# Allegro board ultrasound_tnr_1000a_01_20171121.brd (continued)
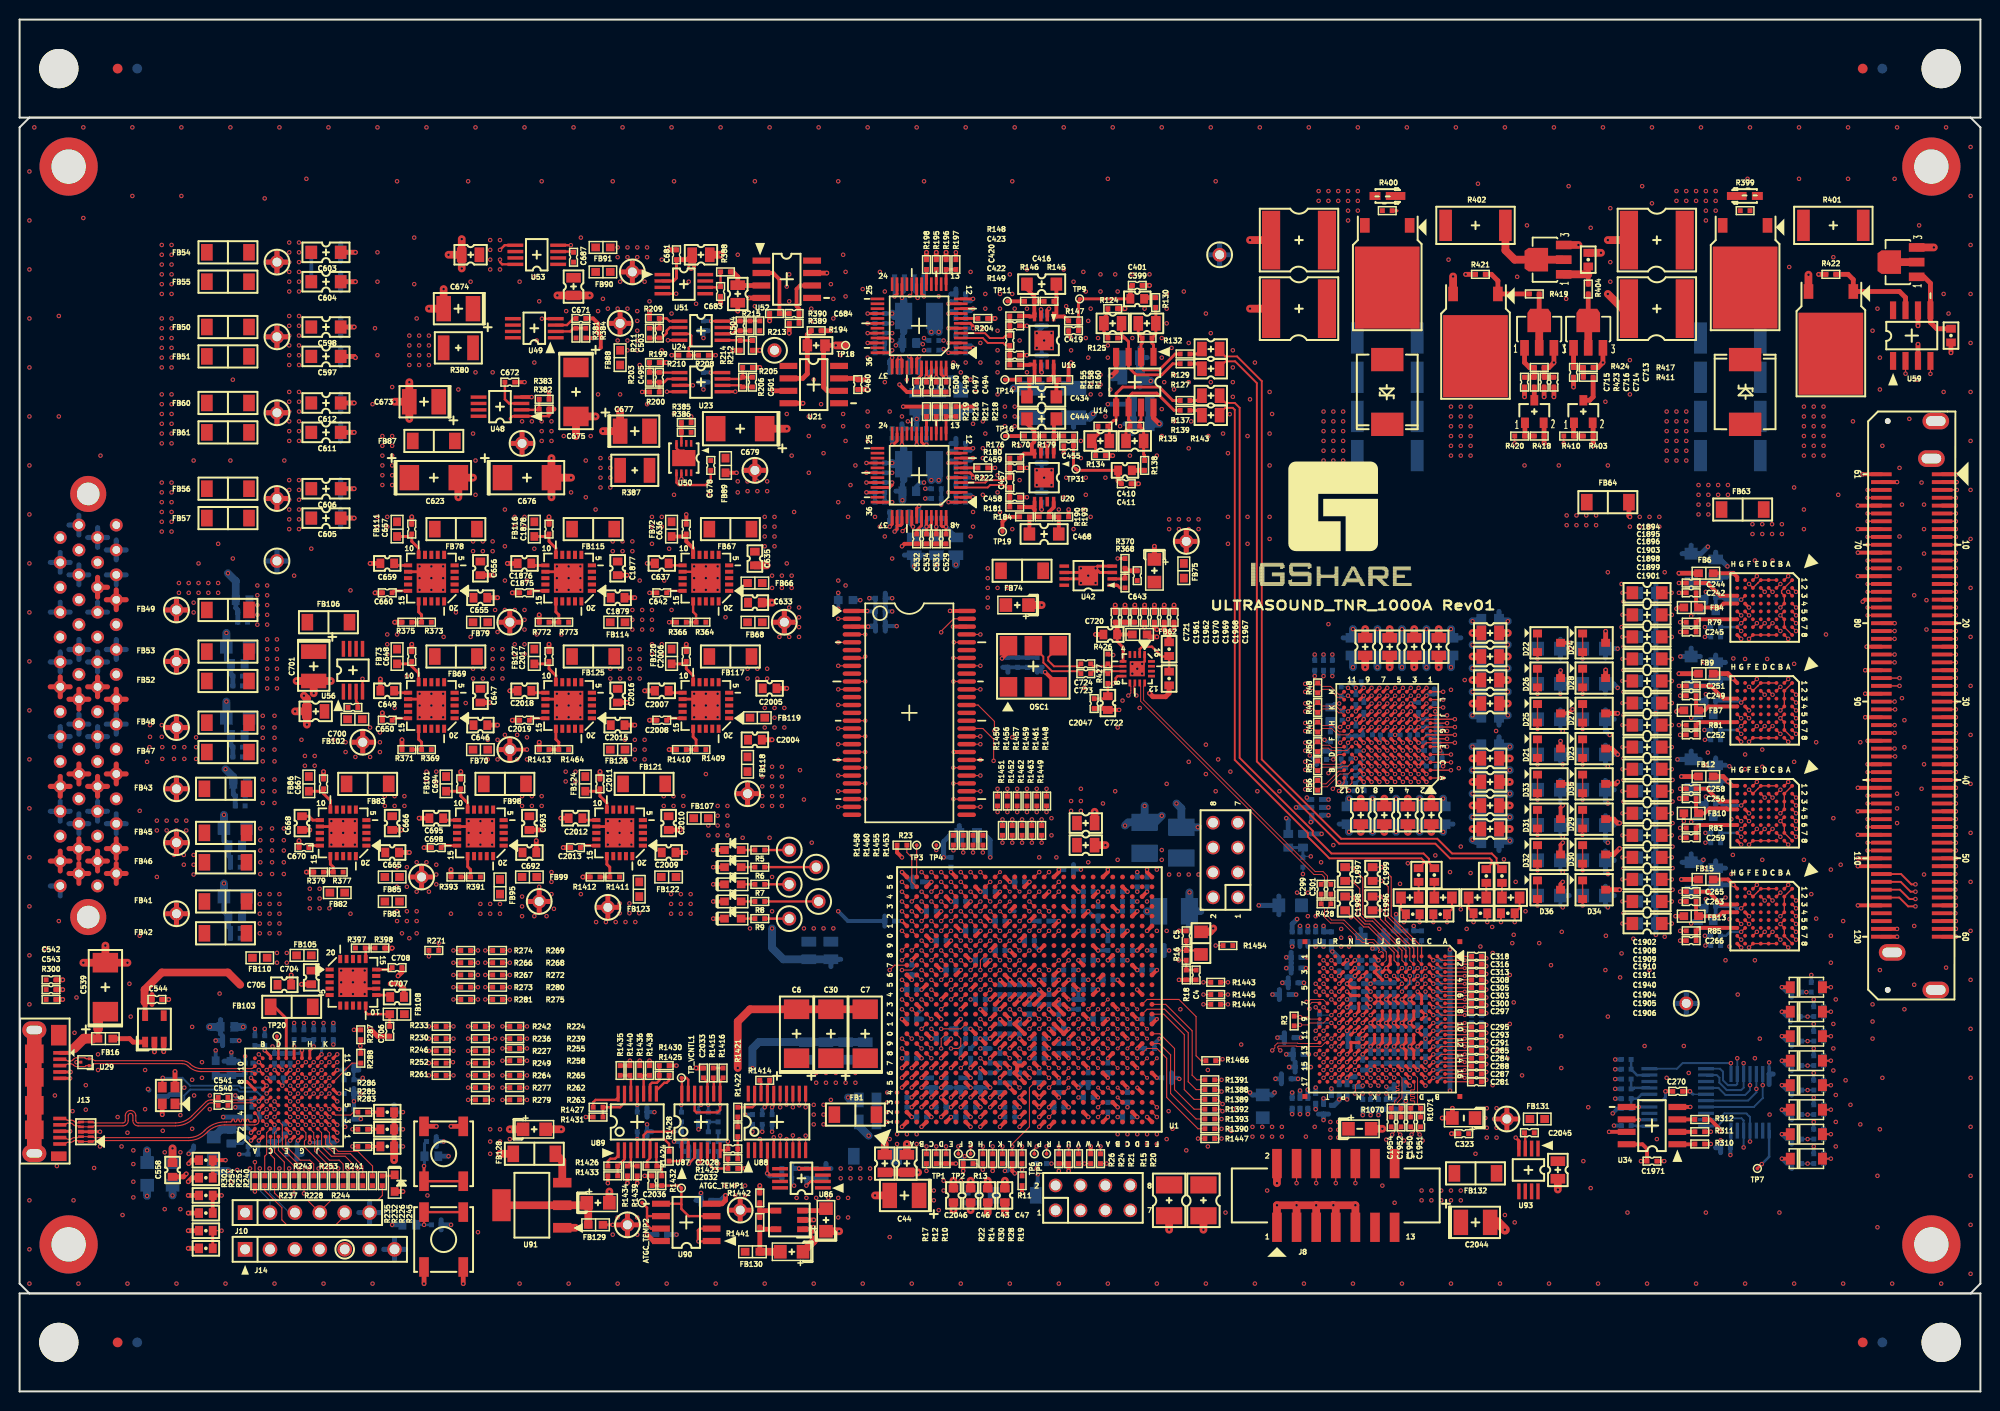
[diagram p0: board, top side]
## Routing (per net, layer and track width the routed paths; a pad name or vN(x,y) marks a point on that pad's centre or on a via; arc(x,y) is an arc through that point) (continued)
PRB_EL_D20: length 24.8
  TOP w0.14: U5.E2 v1(178,71.1)
  TOP w0.15: J17.33 v1(197.5,68)
  SIG1 w0.14: v1(178,71.1) 178,71.6 179.6,73.2 184.8,73.2 189,69 195,69 196,68 v1(197.5,68)
PRB_EL_D21: length 20.5
  TOP w0.14: U5.A2 v1(181.2,71.1)
  TOP w0.15: J17.34 v1(197.5,67.2)
  SIG1 w0.14: v1(181.2,71.1) 184.65,71.1 187.75,68 189.25,68 190.75,66.5 193.05,66.5 193.75,67.2 v1(197.5,67.2)
PRB_EL_D22: length 20.9
  TOP w0.14: U5.A6 v1(181.2,67.9)
  TOP w0.15: J17.36 v1(197.5,65.6)
  SIG1 w0.14: v1(197.5,65.6) 193.1,65.6 191.75,64.25 190.75,64.25 189.5,65.5 189.5,66.4 188.8,67.1 187.1,67.1 186.3,67.9 v1(181.2,67.9)
PRB_EL_D23: length 23.9
  TOP w0.14: U5.D7 v1(178.8,67.9)
  TOP w0.15: J17.37 v1(197.5,64.8)
  SIG1 w0.14: v1(197.5,64.8) 193.55,64.8 192,63.25 190.35,63.25 187.8,65.8 179.8,65.8 178.8,66.8 v1(178.8,67.9)
PRB_EL_D24: length 23.6
  TOP w0.14: U6.E2 v1(178,60.6)
  TOP w0.15: J17.39 v1(197.5,63.2)
  SIG1 w0.14: v1(178,60.6) 178,61.1 179.6,62.7 187.4,62.7 188.35,61.75 191.75,61.75 193.2,63.2 v1(197.5,63.2)
PRB_EL_D25: length 20.1
  TOP w0.14: U6.A2 v1(181.2,60.6)
  TOP w0.15: J17.40 v1(197.5,62.4)
  SIG1 w0.14: v1(181.2,60.6) 186.9,60.6 188.25,59.25 190.5,59.25 193.65,62.4 v1(197.5,62.4)
PRB_EL_D26: length 20
  TOP w0.14: U6.A6 v1(181.2,57.4)
  TOP w0.15: J17.42 v1(197.5,60.8)
  SIG1 w0.14: v1(197.5,60.8) 193.55,60.8 189.75,57 188.25,57 187.85,57.4 v1(181.2,57.4)
PRB_EL_D27: length 24.7
  TOP w0.14: U6.D7 v1(178.8,57.4)
  TOP w0.15: J17.43 v1(197.5,60)
  SIG1 w0.14: v1(197.5,60) 194.25,60 188.75,54.5 188.25,54.5 187.55,55.2 180,55.2 178.8,56.4 v1(178.8,57.4)
PRB_EL_D28: length 24.9
  TOP w0.14: U7.E2 v1(178,50.1)
  TOP w0.15: J17.45 v1(197.5,58.4)
  SIG1 w0.14: v1(178,50.1) 180.2,52.3 188.05,52.3 194.15,58.4 v1(197.5,58.4)
PRB_EL_D29: length 21.4
  TOP w0.14: U7.A2 v1(181.2,50.1)
  TOP w0.15: J17.46 v1(197.5,57.6)
  SIG1 w0.14: v1(197.5,57.6) 194.85,57.6 187.35,50.1 v1(181.2,50.1)
PRB_EL_D30: length 22
  TOP w0.14: U7.A6 v1(181.2,46.9)
  TOP w0.15: J17.48 v1(197.5,56)
  SIG1 w0.14: v1(197.5,56) 195,56 186.3,47.3 181.6,47.3 v1(181.2,46.9)
PRB_EL_D31: length 26.4
  TOP w0.14: U7.D7 v1(178.8,46.9)
  TOP w0.15: J17.49 v1(197.5,55.2)
  SIG1 w0.14: v1(178.8,46.9) 178.8,46 180,44.8 185.3,44.8 195.7,55.2 v1(197.5,55.2)
PRB_EL_D32: length 17.3
  TOP w0.14: U4.D2 v1(178.8,81.6)
  TOP w0.15: J17.63 v1(188.5,92)
  SIG3 w0.14: 187,92 178.8,83.8 178.8,83.5 v1(178.8,81.6)
  SIG3 w0.25: 187,92 v1(188.5,92)
PRB_EL_D33: length 15.5
  TOP w0.14: U4.A3 v1(180.4,81.6)
  TOP w0.15: J17.64 v1(188.5,91.2)
  SIG3 w0.14: v1(188.5,91.2) 187.45,91.2 181,84.75 181,82.2 v1(180.4,81.6)
PRB_EL_D34: length 17.8
  TOP w0.14: U4.A7 v1(181.2,77.6)
  TOP w0.15: J17.66 v1(188.5,89.6)
  SIG3 w0.14: v1(188.5,89.6) 187.1,89.6 181.8,84.3 181.8,78.2 v1(181.2,77.6)
PRB_EL_D35: length 22.4
  TOP w0.14: U4.E7 v1(178,78.4)
  TOP w0.15: J17.67 v1(188.5,88.8)
  SIG3 w0.14: v1(178,78.4) 178,77.6 179.4,76.2 180.6,76.2 182.6,78.2 182.6,83.85 187.55,88.8 v1(188.5,88.8)
PRB_EL_D36: length 22.8
  TOP w0.14: U5.D2 v1(178.8,71.1)
  TOP w0.15: J17.69 v1(188.5,87.2)
  SIG3 w0.14: v1(188.5,87.2) 187.2,87.2 183.4,83.4 183.4,77.9 178.8,73.3 v1(178.8,71.1)
PRB_EL_D37: length 21.7
  TOP w0.14: U5.A3 v1(181.2,70.3)
  TOP w0.15: J17.70 v1(188.5,86.4)
  SIG3 w0.14: v1(188.5,86.4) 187.4,86.4 184.2,83.2 184.2,77.95 181.8,75.55 181.8,70.9 v1(181.2,70.3)
PRB_EL_D38: length 24
  TOP w0.14: U5.A7 v1(181.2,67.1)
  TOP w0.15: J17.72 v1(188.5,84.8)
  SIG3 w0.14: v1(181.2,67.1) 181.7,67.1 182.5,67.9 182.5,74.7 185,77.2 185,83 186.8,84.8 v1(188.5,84.8)
PRB_EL_D39: length 28.5
  TOP w0.14: U5.E7 v1(178,67.9)
  TOP w0.15: J17.73 v1(188.5,84)
  SIG3 w0.14: v1(188.5,84) 187.25,84 185.8,82.55 185.8,77 183.25,74.45 183.25,67.05 182,65.8 180.1,65.8 v1(178,67.9)
PRB_EL_D40: length 29.2
  TOP w0.14: U6.D2 v1(178.8,60.6)
  TOP w0.15: J17.75 v1(188.5,82.4)
  SIG3 w0.14: v1(188.5,82.4) 187.4,82.4 186.6,81.6 186.6,76.8 184,74.2 184,64.4 180.2,60.6 v1(178.8,60.6)
PRB_EL_D41: length 28
  TOP w0.14: U6.A3 v1(181.2,59.8)
  TOP w0.15: J17.76 v1(188.5,81.6)
  SIG3 w0.14: v1(188.5,81.6) 187.6,81.6 187.4,81.4 187.4,76.6 184.75,73.95 184.75,62.25 182.3,59.8 v1(181.2,59.8)
PRB_EL_D42: length 29
  TOP w0.14: U6.A7 v1(181.2,56.6)
  TOP w0.15: J17.78 v1(188.5,80)
  SIG3 w0.14: v1(181.2,56.6) 182.2,56.6 185.5,59.9 185.5,73.7 188,76.2 188,79.5 v1(188.5,80)
PRB_EL_D43: length 34.2
  TOP w0.14: U6.E7 v1(178,57.4)
  TOP w0.15: J17.79 v1(188.5,79.2)
  SIG3 w0.14: v1(178,57.4) 180.1,55.3 182.8,55.3 186.25,58.75 186.25,73.25 188.9,75.9 188.9,78.8 v1(188.5,79.2)
PRB_EL_D44: length 35.5
  TOP w0.14: U7.D2 v1(178.8,50.1)
  TOP w0.15: J17.81 v1(191.25,77.6)
  SIG3 w0.14: v1(178.8,50.1) 179.7,50.1 187,57.4 187,73 190,76 190,77 190.6,77.6 v1(191.25,77.6)
PRB_EL_D45: length 35.2
  TOP w0.14: U7.A3 v1(181.2,49.3)
  TOP w0.15: J17.82 v1(191.25,76.8)
  SIG3 w0.14: v1(191.25,76.8) 190.75,76.3 190.75,75.75 189.25,74.25 189.25,54.5 184.05,49.3 v1(181.2,49.3)
PRB_EL_D46: length 35.7
  TOP w0.14: U7.A7 v1(181.2,46.1)
  TOP w0.15: J17.84 v1(191.25,75.2)
  SIG3 w0.14: v1(181.2,46.1) 182.1,46.1 190,54 190,73.95 v1(191.25,75.2)
PRB_EL_D47: length 40.7
  TOP w0.14: U7.E7 v1(178,46.9)
  TOP w0.15: J17.85 v1(191.25,74.4)
  SIG3 w0.14: v1(191.25,74.4) 191.25,73.98 190.75,73.48 190.75,53.5 181.95,44.7 179.5,44.7 178,46.2 v1(178,46.9)
PRB_EL_D48: length 19.8
  TOP w0.14: U4.C2 v1(179.6,82.4)
  TOP w0.15: J17.87 v1(191.75,72.8)
  SIG2 w0.14: v1(179.6,82.4) 184.22,82.4 190.5,76.12 190.5,74.05 v1(191.75,72.8)
PRB_EL_D49: length 17.3
  TOP w0.14: U4.A4 v1(181.2,80)
  TOP w0.15: J17.88 v1(191.75,72)
  SIG2 w0.14: v1(181.2,80) 181.6,79.6 185.4,79.6 189.75,75.25 189.75,73.58 191.33,72 v1(191.75,72)
PRB_EL_D50: length 15.4
  TOP w0.14: U4.B8 v1(180.4,76.8)
  TOP w0.15: J17.90 v1(191.25,70.4)
  SIG2 w0.14: v1(191.25,70.4) 190.6,70.4 184.7,76.3 180.9,76.3 v1(180.4,76.8)
PRB_EL_D51: length 20.3
  TOP w0.14: U4.F7 v1(177.2,78.4)
  TOP w0.15: J17.91 v1(191.3,69.6)
  SIG2 w0.14: v1(177.2,78.4) 177.6,78 177.6,77 179.35,75.25 183.5,75.25 189.15,69.6 v1(191.3,69.6)
PRB_EL_D52: length 15.2
  TOP w0.14: U5.C2 v1(179.6,71.9)
  TOP w0.15: J17.93 v1(191.25,68)
  SIG2 w0.14: v1(191.25,68) 188.25,68 184.35,71.9 v1(179.6,71.9)
PRB_EL_D53: length 12.9
  TOP w0.14: U5.A4 v1(181.2,69.5)
  TOP w0.15: J17.94 v1(191.25,67.2)
  SIG2 w0.14: v1(181.2,69.5) 181.6,69.1 185.65,69.1 187.55,67.2 v1(191.25,67.2)
PRB_EL_D54: length 13.1
  TOP w0.14: U5.B8 v1(180.4,66.3)
  TOP w0.15: J17.96 v1(191.25,65.6)
  SIG2 w0.14: v1(180.4,66.3) 181.1,65.6 v1(191.25,65.6)
PRB_EL_D55: length 17.3
  TOP w0.14: U5.F7 v1(177.2,67.9)
  TOP w0.15: J17.97 v1(191.3,64.8)
  SIG2 w0.14: v1(191.3,64.8) 180.3,64.8 v1(177.2,67.9)
PRB_EL_D56: length 11.6
  TOP w0.14: U6.C2 v1(179.6,61.4)
  TOP w0.15: J17.99 v1(188.5,63.2)
  SIG2 w0.14: v1(188.5,63.2) 184.1,63.2 182.3,61.4 v1(179.6,61.4)
PRB_EL_D57: length 10.7
  TOP w0.14: U6.A4 v1(181.2,59)
  TOP w0.15: J17.100 v1(188.5,62.4)
  SIG2 w0.14: v1(188.5,62.4) 184.6,62.4 v1(181.2,59)
PRB_EL_D58: length 13.4
  TOP w0.14: U6.B8 v1(180.4,55.8)
  TOP w0.15: J17.102 v1(188.5,60.8)
  SIG2 w0.14: v1(188.5,60.8) 184.3,60.8 182.25,58.75 182.25,56.65 181.6,56 180.6,56 v1(180.4,55.8)
PRB_EL_D59: length 17.6
  TOP w0.14: U6.F7 v1(177.2,57.4)
  TOP w0.15: J17.103 v1(188.5,60)
  SIG2 w0.14: v1(177.2,57.4) 178.4,56.2 179.4,55.2 182.4,55.2 183.2,56 183.2,58.5 184.7,60 v1(188.5,60)
PRB_EL_D60: length 15.1
  TOP w0.14: U7.C2 v1(179.6,50.9)
  TOP w0.15: J17.105 v1(188.5,58.4)
  SIG2 w0.14: v1(188.5,58.4) 185.9,58.4 184.25,56.75 184.25,54.75 180.4,50.9 v1(179.6,50.9)
PRB_EL_D61: length 15.8
  TOP w0.14: U7.A4 v1(181.2,48.5)
  TOP w0.15: J17.106 v1(188.5,57.6)
  SIG2 w0.14: v1(181.2,48.5) 182,48.5 185.25,51.75 185.25,56.5 186.35,57.6 v1(188.5,57.6)
PRB_EL_D62: length 17.7
  TOP w0.14: U7.B8 v1(180.4,45.3)
  TOP w0.15: J17.108 v1(188.5,56)
  SIG2 w0.14: v1(188.5,56) 187.25,56 186.25,55 186.25,49.5 182.35,45.6 180.7,45.6 v1(180.4,45.3)
PRB_EL_D63: length 22.3
  TOP w0.14: U7.F7 v1(177.2,46.9)
  TOP w0.15: J17.109 v1(188.5,55.2)
  SIG2 w0.14: v1(177.2,46.9) 179.4,44.7 183.7,44.7 187,48 187,54.5 187.7,55.2 v1(188.5,55.2)
PRB_ID0: length 22.3
  SIG1 w0.14: v1(174.55,33.5) 174.55,35.05 180.25,40.75 v1(182.25,40.75)
  BOTTOM w0.2: U8.10 169.05,32.92 169.62,33.5 v1(174.55,33.5) U9.1 ; R100.2 v1(182.25,40.75) C272.1
PRB_ID1: length 17.7
  SIG1 w0.14: v1(182.38,38.25) 182.25,38.25 182,38 178.62,38 175.2,34.58 v1(175.2,34)
  BOTTOM w0.2: v1(175.2,34) U9.2 175.2,31.36 175.09,31.25 174.25,31.25 173.75,31.75 173.75,32.63 173.45,32.92 U8.11 ; C273.1 v1(182.38,38.25) R101.2
PRB_ID2: length 16.4
  SIG1 w0.14: v1(182.38,35.75) 181.88,35.25 177,35.25 175.85,34.1 v1(175.85,33.5)
  BOTTOM w0.2: v1(175.85,33.5) U9.3 175.85,31 175.6,30.75 174.12,30.75 173.38,31.5 173.38,32.02 173.12,32.27 U8.12 ; R102.2 v1(182.38,35.75) C274.1
PRB_ID3: length 15
  SIG1 w0.14: v1(176.5,31.25) 176.5,31.88 177.38,32.75 180.38,32.75 180.88,33.25 v1(182.38,33.25)
  BOTTOM w0.2: C275.1 v1(182.38,33.25) R103.2 ; U8.14 173.27,30.98 174,30.25 176,30.25 176.5,30.75 v1(176.5,31.25) U9.4
PRB_ID4: length 15.3
  SIG1 w0.14: v1(182.38,30.75) 181.12,32 177.5,32 177.12,31.62 177.12,30.9 v1(177.15,30.88)
  BOTTOM w0.2: C277.1 v1(182.38,30.75) R115.2 ; U9.5 v1(177.15,30.88) 177.15,30.52 176.3,29.68 U8.16
PRB_ID5: length 16.6
  SIG1 w0.14: v1(182.38,28.25) 182.38,29.25 181.62,30 178.5,30 177.75,30.75 177.75,31.2 v1(177.8,31.25)
  BOTTOM w0.2: C278.1 v1(182.38,28.25) R116.2 ; U8.17 176.9,29.02 177.8,29.93 v1(177.8,31.25) U9.6
PRB_ID6: length 14.6
  SIG1 w0.14: v1(182.38,25.75) 181.89,25.75 181.64,25.5 v1(176.5,25.5)
  BOTTOM w0.2: v1(176.5,25.5) U9.11 176.5,28 176.12,28.38 173.88,28.38 173.23,27.73 U8.19 ; C279.1 v1(182.38,25.75) R117.2
PRB_ID7: length 16.1
  SIG1 w0.14: v1(175.85,24.9) 176.25,24.5 182.12,24.5 182.38,24.25 v1(182.38,23.25)
  BOTTOM w0.2: C280.1 v1(182.38,23.25) R118.2 ; U8.20 173.2,27.07 174,27.88 175.62,27.88 175.85,27.65 U9.12 v1(175.85,24.9)
PRB_ON_GATE: length 4.4
  TOP w0.25: TP7.1 v1(177.7,23.2)
  BOTTOM w0.25: U9.8 178.45,23.95 v1(177.7,23.2)
PRBA_PID_0: length 24.7
  TOP w0.2: 183.75,41.25 D6.2 v1(184.75,41.25) ; J17.52 v1(197.45,52.8)
  SIG1 w0.14: v1(197.45,52.8) 196.55,52.8 194.38,50.62 194.38,45.75 189.88,41.25 v1(184.75,41.25)
  BOTTOM w0.2: 183.75,41.25 R95.1 ; 183.75,41.25 v1(184.75,41.25) ; 183.75,41.25 R100.1
PRBA_PID_1: length 26
  TOP w0.2: J17.53 v1(197.5,52) ; D7.2 v1(184.75,38.75)
  SIG1 w0.14: v1(197.5,52) 196.5,52 194.88,50.38 194.88,45.5 191.56,42.19 191.56,40.69 189.62,38.75 v1(184.75,38.75)
  BOTTOM w0.2: 184,38.75 R101.1 ; 184,38.75 v1(184.75,38.75) ; 184,38.75 R96.1
PRBA_PID_2: length 26.7
  TOP w0.2: D8.2 v1(184.75,36.25) ; J17.54 v1(197.45,51.2)
  SIG1 w0.14: v1(197.45,51.2) 196.57,51.2 195.38,50 195.38,45.25 192.12,42 192.12,40.12 188.25,36.25 v1(184.75,36.25)
  BOTTOM w0.2: 184,36.25 R97.1 ; 184,36.25 v1(184.75,36.25) ; 184,36.25 R102.1
PRBA_PID_3: length 28.3
  TOP w0.2: D9.2 v1(184.75,33.75) ; J17.55 v1(197.47,50.4)
  SIG1 w0.14: v1(184.75,33.75) 187.88,33.75 192.69,38.56 192.69,41.81 195.88,45 195.88,49.75 196.53,50.4 v1(197.47,50.4)
  BOTTOM w0.2: 184,33.75 R103.1 ; 184,33.75 R98.1 184.01,34.25 ; 184,33.75 v1(184.75,33.75)
PRBA_PID_4: length 32.1
  TOP w0.2: J17.112 191.9,52.8 192.95,51.75 v1(193.38,51.75) ; D10.2 v1(184.75,31.25)
  SIG3 w0.14: v1(184.75,31.25) 186,32.5 186,46.87 190.88,51.75 v1(193.38,51.75)
  BOTTOM w0.2: 184,31.25 R111.1 ; 184,31.25 v1(184.75,31.25) ; 184,31.25 R115.1
PRBA_PID_5: length 33.9
  TOP w0.2: J17.113 191.88,52 192.88,51 v1(193.38,51) ; D11.2 v1(184.75,28.75)
  SIG3 w0.14: v1(184.75,28.75) 185.5,28.75 186.75,30 186.75,46.38 191.38,51 v1(193.38,51)
  BOTTOM w0.2: 184,28.75 v1(184.75,28.75) ; 184,28.75 R116.1 ; 184,28.75 R112.1
PRBA_PID_6: length 35.2
  TOP w0.2: J17.114 191.8,51.2 192.75,50.25 v1(193.38,50.25) ; D12.2 v1(184.75,26.25)
  SIG3 w0.14: v1(193.38,50.25) 192,50.25 187.5,45.75 187.5,28.5 185.25,26.25 v1(184.75,26.25)
  BOTTOM w0.2: 184,26.25 R117.1 ; 184,26.25 v1(184.75,26.25) ; 184,26.25 R113.1
PRBA_PID_7: length 36.6
  TOP w0.2: v1(193.38,49.5) 192.62,49.5 191.72,50.4 J17.115 ; D13.2 v1(184.75,23.75)
  SIG3 w0.14: v1(184.75,23.75) 185.25,23.75 188.25,26.75 188.25,45.25 192.5,49.5 v1(193.38,49.5)
  BOTTOM w0.2: v1(184.75,23.75) 184,23.75 ; 184,23.75 R118.1 ; 184,23.75 R114.1
REF_2V5: length 51.9
  TOP w0.4: U16.2 104.83,110.33 v1(105,110.5) ; U20.2 v1(104.83,96.75)
  TOP w0.5: v1(83.25,106.75) R192.1 82,106.6 82,102.5 82.39,102.11 U21.6
  TOP w0.8: TP18.1 v1(83.25,106.75)
  SIG1 w0.8: v1(104.83,96.75) 104.83,102.08 106.25,103.5 106.25,109.25 v1(105,110.5) 105,111.4 103.4,113 87.83,113 83.92,109.08 83.92,107.32 83.35,106.75 v1(83.25,106.75)
REF_2V5P: length 11.7
  TOP w0.3: U23.5 v1(73,102.03) ; U23.3 v1(68.67,102.67)
  TOP w0.4: R208.1 v1(71,105.75)
  TOP w0.5: U21.3 v1(76.86,102.11) ; R212.1 v1(75.5,106.25) ; R390.1 v1(76.5,109.25) ; R389.1 v1(78.5,108)
  SIG1 w0.53: 77,105.19 TH33.1 ; TH33.1 77,107.31 ; TH33.1 75.94,106.25 ; TH33.1 78.06,106.25
RESET: length 17.6
  TOP w0.115: U11.L17 v1(137.8,31.2) ; v1(122.69,28.6) 122.49,28.8 R1392.2
  SIG3 w0.13: v1(122.69,28.6) 123.99,29.9 132.2,29.9 132.7,30.4 134.2,30.4 134.6,30.8 137.4,30.8 v1(137.8,31.2)
SD_A0: length 29.1
  TOP w0.115: U1.H22 v1(97,49) ; U31.23 v1(86.25,62.05)
  SIG1 w0.13: v1(97,49) 96.5,48.5 89.79,48.5 89.25,49.04 89.25,56.41 89.12,56.54 88.8,56.54 88.67,56.67 88.67,56.93 88.8,57.06 89.12,57.06 89.25,57.19 89.25,57.76 88.82,58.19 88.64,58.19 87.99,57.54 87.81,57.54 87.62,57.73 87.62,57.91 88.27,58.56 88.27,58.74 87.75,59.26 87.75,60.96 87.47,61.24 87.47,61.42 87.92,61.87 87.92,62.05 87.73,62.24 87.55,62.24 87.1,61.79 86.92,61.79 86.66,62.05 v1(86.25,62.05)
SD_A1: length 29.1
  TOP w0.115: U1.G21 v1(96,48) ; U31.24 v1(83.5,61.25)
  SIG1 w0.13: v1(83.5,61.25) 86.5,61.25 87.18,60.57 87.18,59.96 86.09,58.88 86.09,58.7 86.28,58.51 86.46,58.51 86.92,58.97 87.1,58.97 87.28,58.79 87.28,58.6 86.76,58.08 86.76,57.89 88.5,56.15 88.5,48.84 89.84,47.5 95.5,47.5 v1(96,48)
SD_A2: length 29
  TOP w0.115: U31.25 v1(86.25,60.45) ; U1.H21 v1(97,48)
  SIG1 w0.13: v1(86.25,60.45) 84.81,60.45 84.59,60.23 84.59,59.36 84.77,59.18 84.96,59.18 85.27,59.49 85.45,59.49 85.64,59.3 85.64,59.12 85.33,58.81 85.33,58.62 87.75,56.2 87.75,48.6 89.85,46.5 96.25,46.5 96.5,46.75 96.5,47.5 v1(97,48)
SD_A3: length 29
  TOP w0.115: U1.J21 v1(98,48) ; U31.26 v1(83.5,59.65)
  SIG1 w0.13: v1(83.5,59.65) 87,56.15 87,48.46 89.96,45.5 97.25,45.5 97.5,45.75 97.5,47.5 v1(98,48)
SD_A4: length 29
  TOP w0.115: U31.29 v1(98,59.65) ; U1.J26 v1(98,53)
  SIG1 w0.13: v1(98,59.65) 98.62,59.65 98.97,60 98.97,62.7 99.1,62.83 99.61,62.83 99.74,62.96 99.74,63.73 99.87,63.86 100.13,63.86 100.26,63.73 100.26,62.96 100.39,62.83 100.65,62.83 100.78,62.96 100.78,63.73 100.91,63.86 101.17,63.86 101.3,63.73 101.3,62.96 101.43,62.83 101.69,62.83 101.82,62.96 101.82,63.73 101.95,63.86 102.21,63.86 102.34,63.73 102.34,62.96 102.47,62.83 102.91,62.83 103.04,62.7 103.04,62.47 102.79,62.22 100.45,62.22 100.32,62.09 100.32,58.89 100.78,58.43 100.78,55.61 98.17,53 v1(98,53)
SD_A5: length 29.1
  TOP w0.115: U31.30 v1(95.25,60.45) ; U1.J24 v1(99,50)
  SIG1 w0.13: v1(95.25,60.45) 97.14,60.45 97.4,60.19 97.4,59.01 97.58,58.83 99.26,58.83 99.39,58.7 99.39,58.44 99.26,58.31 97.58,58.31 97.45,58.18 97.45,57.92 97.58,57.79 99.33,57.79 99.46,57.66 99.46,57.4 99.33,57.27 97.58,57.27 97.45,57.14 97.45,56.88 97.58,56.75 99.71,56.75 99.83,56.63 99.83,56.37 99.72,56.26 99.42,56.26 99.29,56.13 99.29,55.21 99.16,55.08 98.9,55.08 98.77,55.21 98.77,56.13 98.64,56.26 97.65,56.26 97.52,56.13 97.52,55.55 97.75,55.33 97.75,54.05 97.5,53.81 97.5,52.47 99,50.97 v1(99,50)
SD_A6: length 29
  TOP w0.115: U1.H26 v1(97,53) ; U31.31 v1(98,61.25)
  SIG1 w0.13: v1(98,61.25) 97.12,61.25 96.99,61.38 96.99,61.67 96.86,61.8 96.6,61.8 96.47,61.67 96.47,61.38 96.34,61.25 94.86,61.25 94.62,61.01 94.62,60.24 94.83,60.03 96.64,60.03 96.77,59.9 96.77,59.72 96.64,59.59 94.75,59.59 94.62,59.46 94.62,59.2 94.75,59.07 96.64,59.07 96.77,58.94 96.77,58.68 96.64,58.55 94.75,58.55 94.62,58.42 94.62,58.16 94.75,58.03 96.64,58.03 96.77,57.9 96.77,57.64 96.64,57.51 94.81,57.51 94.68,57.38 94.68,57.12 94.81,56.99 96.54,56.99 96.67,56.86 96.67,56.44 96.54,56.31 96.26,56.31 96.13,56.18 96.13,55.92 96.26,55.79 96.52,55.79 96.77,55.54 96.77,53.23 v1(97,53)
SD_A7: length 29.1
  TOP w0.115: U31.32 v1(95.25,62.05) ; U1.G26 v1(96,53)
  SIG1 w0.13: v1(95.25,62.05) 95.2,62.05 93.88,63.37 93.88,65.09 93.75,65.22 93.42,65.22 93.29,65.09 93.29,64.36 93.16,64.23 92.9,64.23 92.77,64.36 92.77,65.09 92.64,65.22 91.59,65.22 91.46,65.09 91.46,64.91 92.51,63.86 92.51,63.28 92.64,63.15 93.34,63.15 93.47,63.02 93.47,62.76 93.34,62.63 92.64,62.63 92.51,62.5 92.51,61.72 92.92,61.31 93.11,61.31 94.04,62.24 94.23,62.24 94.41,62.06 94.41,61.87 93.48,60.94 93.48,60.75 94.02,60.21 94.03,60.21 94.03,57.03 94.32,56.74 94.32,56.56 94.13,56.37 94.13,56.19 94.31,56.01 94.5,56.01 94.68,56.19 94.87,56.19 95.77,55.29 95.77,54.53 96,54.3 v1(96,53)
SD_A8: length 29.1
  TOP w0.115: U31.33 v1(98,62.85) ; U1.H24 v1(97,51)
  SIG1 w0.13: v1(98,62.85) 95.11,62.85 94.5,63.46 94.5,65.41 94.11,65.8 91.09,65.8 90.96,65.67 90.96,64.51 91.81,63.66 91.81,61.47 93.35,59.93 93.35,56.13 95.5,53.98 95.5,52.64 95.64,52.5 96.25,52.5 96.5,52.25 96.5,51.5 v1(97,51)
SD_A9: length 29.1
  TOP w0.115: U1.F25 v1(95,52) ; U31.34 v1(95.25,63.65)
  SIG1 w0.13: v1(95.25,63.65) 95.83,63.65 96.12,63.94 96.12,65.26 94.91,66.47 94.72,66.47 94.5,66.26 94.32,66.26 94.14,66.44 94.14,66.63 94.35,66.84 94.35,67.03 94.04,67.34 90.97,67.34 89.94,66.31 89.94,64.57 91.16,63.35 91.16,61.12 92.76,59.52 92.76,55.19 94.5,53.45 94.5,52.5 v1(95,52)
SD_A10: length 29
  TOP w0.115: U1.H23 v1(98,50) ; U31.22 v1(83.5,62.85)
  SIG1 w0.13: v1(83.5,62.85) 87.88,62.85 88.49,62.24 88.49,59.49 88.82,59.16 89,59.16 89.12,59.28 89.3,59.28 89.48,59.1 89.48,58.91 89.37,58.8 89.37,58.61 90.01,57.97 90.01,55.24 90.5,54.75 90.5,49.75 90.75,49.5 U1.H23 v1(98,50)
SD_A11: length 29.1
  TOP w0.115: U1.E26 v1(94,53) ; U31.35 v1(98,64.45)
  SIG1 w0.13: v1(98,64.45) 96.25,66.2 96.25,67.14 95.42,67.97 90.58,67.97 89.2,66.59 89.2,64.36 90.39,63.17 90.39,60.95 92.15,59.19 92.15,54.85 v1(94,53)
SD_CKE: length 26.7
  TOP w0.115: U31.37 v1(98,66.05) ; U1.J25 v1(99,52)
  SIG1 w0.13: v1(98,66.05) 102.92,66.05 105.85,63.12 105.85,57.92 105.41,57.48 102.65,57.48 101.75,56.58 101.75,55.6 99,52.85 v1(99,52)
SD_CLK: length 35.4
  TOP w0.115: v1(97.99,66.85) U31.38 ; U1.F22 v1(95,48)
  SIG3 w0.13: v1(97.99,66.85) 97.45,66.31 97.45,65.07 97.32,64.94 96.66,64.94 96.53,64.81 96.53,64.55 96.66,64.42 97.32,64.42 97.45,64.29 97.45,64.03 97.32,63.9 96.66,63.9 96.53,63.77 96.53,63.51 96.66,63.38 97.32,63.38 97.45,63.25 97.45,62.99 97.32,62.86 96.66,62.86 96.53,62.73 96.53,62.47 96.66,62.34 97.32,62.34 97.45,62.21 97.45,61.95 97.32,61.82 96.66,61.82 96.53,61.69 96.53,61.43 96.66,61.3 97.32,61.3 97.45,61.17 97.45,60.91 97.32,60.78 96.66,60.78 96.53,60.65 96.53,60.39 96.66,60.26 97.32,60.26 97.45,60.13 97.45,59.87 97.32,59.74 96.66,59.74 96.53,59.61 96.53,59.35 96.66,59.22 97.32,59.22 97.45,59.09 97.45,58.83 97.32,58.7 96.66,58.7 96.53,58.57 96.53,58.05 96.66,57.92 97.41,57.92 97.54,57.79 97.54,57.53 97.41,57.4 96.66,57.4 96.53,57.27 96.53,57.01 96.66,56.88 97.41,56.88 97.54,56.75 97.54,56.49 97.41,56.36 96.66,56.36 96.53,56.23 96.53,55.83 96.78,55.58 96.78,54.07 96.5,53.79 96.5,50.75 96,50.25 96,49.75 95.5,49.25 U1.F22 v1(95,48)
SD_DQ0: length 35.5
  TOP w0.115: U1.A24 v1(90,51) ; U31.2 v1(83.5,78.85)
  SIG3 w0.13: v1(90,51) 89.5,51.5 89.5,69.64 89.8,69.94 89.8,76.97 87.92,78.85 v1(83.5,78.85)
SD_DQ1: length 35.5
  TOP w0.115: U31.4 v1(86.25,77.25) ; U1.A23 v1(90,50)
  SIG3 w0.13: v1(90,50) 88.75,51.25 88.75,69.84 89.03,70.12 89.03,75.11 88.56,75.58 88.56,75.77 89.19,76.4 89.19,76.58 89,76.77 88.82,76.77 88.19,76.14 88,76.14 87.82,76.32 87.82,76.5 88.45,77.13 88.45,77.32 88.27,77.5 88.08,77.5 87.45,76.87 87.27,76.87 86.89,77.25 v1(86.25,77.25)
SD_DQ2: length 35.4
  TOP w0.115: U1.B22 v1(91,49) ; U31.5 v1(83.5,76.45)
  SIG3 w0.13: v1(83.5,76.45) 86.65,76.45 88.39,74.71 88.39,70.54 88,70.15 88,51 89.5,49.5 90.5,49.5 v1(91,49)
SD_DQ3: length 35.4
  TOP w0.115: v1(86.25,75) 86.1,74.85 U31.7 ; U1.A22 v1(90,49)
  SIG3 w0.13: v1(90,49) 89,49 87.25,50.75 87.25,70.39 87.62,70.76 87.62,74.58 86.46,75.74 84.8,75.74 84.67,75.61 84.67,74.96 84.8,74.83 86.08,74.83 v1(86.25,75)
SD_DQ4: length 35.4
  TOP w0.115: U1.B21 v1(91,48) ; U31.8 v1(83.5,74.05)
  SIG3 w0.13: v1(83.5,74.05) 86.12,74.05 86.83,73.34 86.83,71.69 85.78,70.64 85.78,59.42 86.5,58.7 86.5,54.1 86.37,53.97 86.18,53.97 86.05,53.84 86.05,53.58 86.18,53.45 86.37,53.45 86.5,53.32 86.5,50.5 88.5,48.5 90.5,48.5 v1(91,48)
SD_DQ5: length 35.4
  TOP w0.115: U31.10 v1(86.25,72.45) ; U1.C21 v1(92,47)
  SIG3 w0.13: v1(92,47) 91.5,47.5 88.5,47.5 85.24,50.76 85.24,54.42 85.37,54.55 85.83,54.55 85.96,54.68 85.96,54.94 85.83,55.07 85.37,55.07 85.24,55.2 85.24,55.46 85.37,55.59 85.83,55.59 85.96,55.72 85.96,55.98 85.83,56.11 85.37,56.11 85.24,56.24 85.24,56.88 85.37,57.01 85.42,57.01 85.55,57.14 85.55,57.4 85.42,57.53 85.37,57.53 85.24,57.66 85.24,58.59 84.79,59.04 84.79,70.99 v1(86.25,72.45)
SD_DQ6: length 35.5
  TOP w0.115: U1.A20 v1(90,47) ; U31.11 v1(83.5,71.65)
  SIG3 w0.13: v1(90,47) 88,47 84.49,50.51 84.49,52.29 84.36,52.42 83.87,52.42 83.74,52.55 83.74,52.81 83.87,52.94 84.36,52.94 84.49,53.07 84.49,53.33 84.36,53.46 83.87,53.46 83.74,53.59 83.74,53.85 83.87,53.98 84.36,53.98 84.49,54.11 84.49,54.37 84.36,54.5 83.87,54.5 83.74,54.63 83.74,54.89 83.87,55.02 84.36,55.02 84.49,55.15 84.49,55.41 84.36,55.54 83.87,55.54 83.74,55.67 83.74,55.93 83.87,56.06 84.02,56.06 84.15,56.19 84.15,57.26 84.02,57.39 83.86,57.39 83.73,57.52 83.73,57.78 83.86,57.91 84.02,57.91 84.15,58.04 84.15,71 v1(83.5,71.65)
SD_DQ7: length 35.5
  TOP w0.115: U1.B20 v1(91,47) ; U31.13 v1(83.5,70.05)
  SIG3 w0.13: v1(83.5,70.05) 82.92,69.47 82.92,58.65 82.79,58.52 82.16,58.52 82.03,58.39 82.03,58.13 82.16,58 82.79,58 82.92,57.87 82.92,57.61 82.79,57.48 82.16,57.48 82.03,57.35 82.03,57.09 82.16,56.96 82.79,56.96 82.92,56.83 82.92,56.57 82.79,56.44 82.39,56.44 82.26,56.31 82.26,56.05 82.39,55.92 82.79,55.92 83.28,55.43 83.28,50.72 87.5,46.5 90.5,46.5 v1(91,47)
SD_DQ8: length 35.4
  TOP w0.115: v1(99.43,67.41) 99.43,68.38 97.76,70.05 U31.42 ; U1.E21 v1(94,47)
  SIG3 w0.13: v1(94,47) U1.E21 94.5,49.25 94.75,49.5 95.25,49.5 95.5,49.75 95.5,53.75 95.75,54 95.75,65.98 97.18,67.41 98.39,67.41 98.56,67.24 98.56,66.69 98.69,66.56 99.05,66.56 99.18,66.43 99.18,66.17 99.05,66.04 98.69,66.04 98.56,65.91 98.56,65.08 98.72,64.92 99.3,64.92 99.81,65.43 99.81,67.03 v1(99.43,67.41)
SD_DQ9: length 35.4
  TOP w0.115: U31.44 v1(98,71.65) ; U1.E22 v1(94,48)
  SIG3 w0.13: v1(94,48) 93.4,48.6 93.4,49.2 93.7,49.5 94.37,49.5 94.5,49.63 94.5,53.76 94.8,54.06 94.8,65.94 95.32,66.46 95.32,66.65 95,66.97 95,67.16 95.18,67.34 95.36,67.34 95.69,67.01 95.87,67.01 96.06,67.2 96.06,67.38 95.73,67.71 95.73,67.89 95.92,68.07 96.1,68.07 96.42,67.75 96.61,67.75 96.79,67.93 96.79,68.12 96.47,68.44 96.47,68.63 96.65,68.81 96.83,68.81 97.54,68.1 98.08,68.1 98.63,68.66 98.63,69.29 98.5,69.42 97.68,69.42 97.46,69.64 97.46,70.07 97.59,70.2 98.13,70.2 98.26,70.33 98.26,70.59 98.13,70.72 97.59,70.72 97.46,70.85 97.46,71.11 v1(98,71.65)
SD_DQ10: length 35.4
  TOP w0.115: U31.45 v1(95.25,72.45) ; U1.D21 v1(93,48)
  SIG3 w0.13: v1(95.25,72.45) 96.93,70.77 96.93,69.81 96.74,69.62 96.56,69.62 95.76,70.42 95.58,70.42 95.4,70.24 95.4,70.05 96.27,69.18 96.27,68.99 96.09,68.81 95.91,68.81 95.03,69.69 94.85,69.69 94.25,69.09 94.25,68.83 94.38,68.7 95.31,68.7 95.44,68.57 95.44,68.31 95.31,68.18 94.38,68.18 94.25,68.05 94.25,55.28 93.5,54.53 93.5,49.9 93,49.4 v1(93,48)
SD_DQ11: length 35.4
  TOP w0.115: U31.47 v1(98,74.05) ; U1.D26 v1(93,53)
  SIG3 w0.13: v1(93,53) 93,55.75 93.5,56.25 93.5,69.87 93.63,70 94.47,70 94.6,70.13 94.6,70.39 94.47,70.52 93.63,70.52 93.5,70.65 93.5,71.45 93.74,71.69 93.92,71.69 94.81,70.8 95,70.8 95.18,70.98 95.18,71.17 94.29,72.06 94.29,72.24 95.12,73.08 96.29,73.08 96.42,72.94 96.42,72.27 96.55,72.14 96.81,72.14 96.94,72.27 96.94,72.94 97.07,73.08 97.33,73.08 97.46,72.94 97.46,72.27 97.59,72.14 97.85,72.14 97.98,72.27 97.98,72.94 98.11,73.08 98.31,73.08 98.44,73.2 98.44,73.94 98.31,74.07 98.02,74.07 v1(98,74.05)
SD_DQ12: length 35.4
  TOP w0.115: U31.48 v1(95.25,74.85) ; U1.C24 v1(92,51)
  SIG3 w0.13: v1(92,51) 92.5,51.5 92.5,56.25 92.75,56.5 92.75,72.35 93.11,72.71 93.29,72.71 93.61,72.39 93.8,72.39 93.98,72.57 93.98,72.76 93.66,73.08 93.66,73.26 93.84,73.44 94.03,73.44 94.35,73.12 94.53,73.12 94.72,73.31 94.72,73.49 94.4,73.81 94.4,74 94.72,74.32 95.51,74.32 95.64,74.19 95.64,74.02 95.77,73.89 96.03,73.89 96.16,74.02 96.16,74.19 96.29,74.32 96.55,74.32 96.68,74.19 96.68,74.02 96.81,73.89 97.07,73.89 97.2,74.02 97.2,74.19 97.33,74.32 97.36,74.32 97.59,74.55 97.59,74.75 97.46,74.88 95.28,74.88 v1(95.25,74.85)